# Altium PCB Power_Board.PcbDoc (part 2 of 3) (continued)
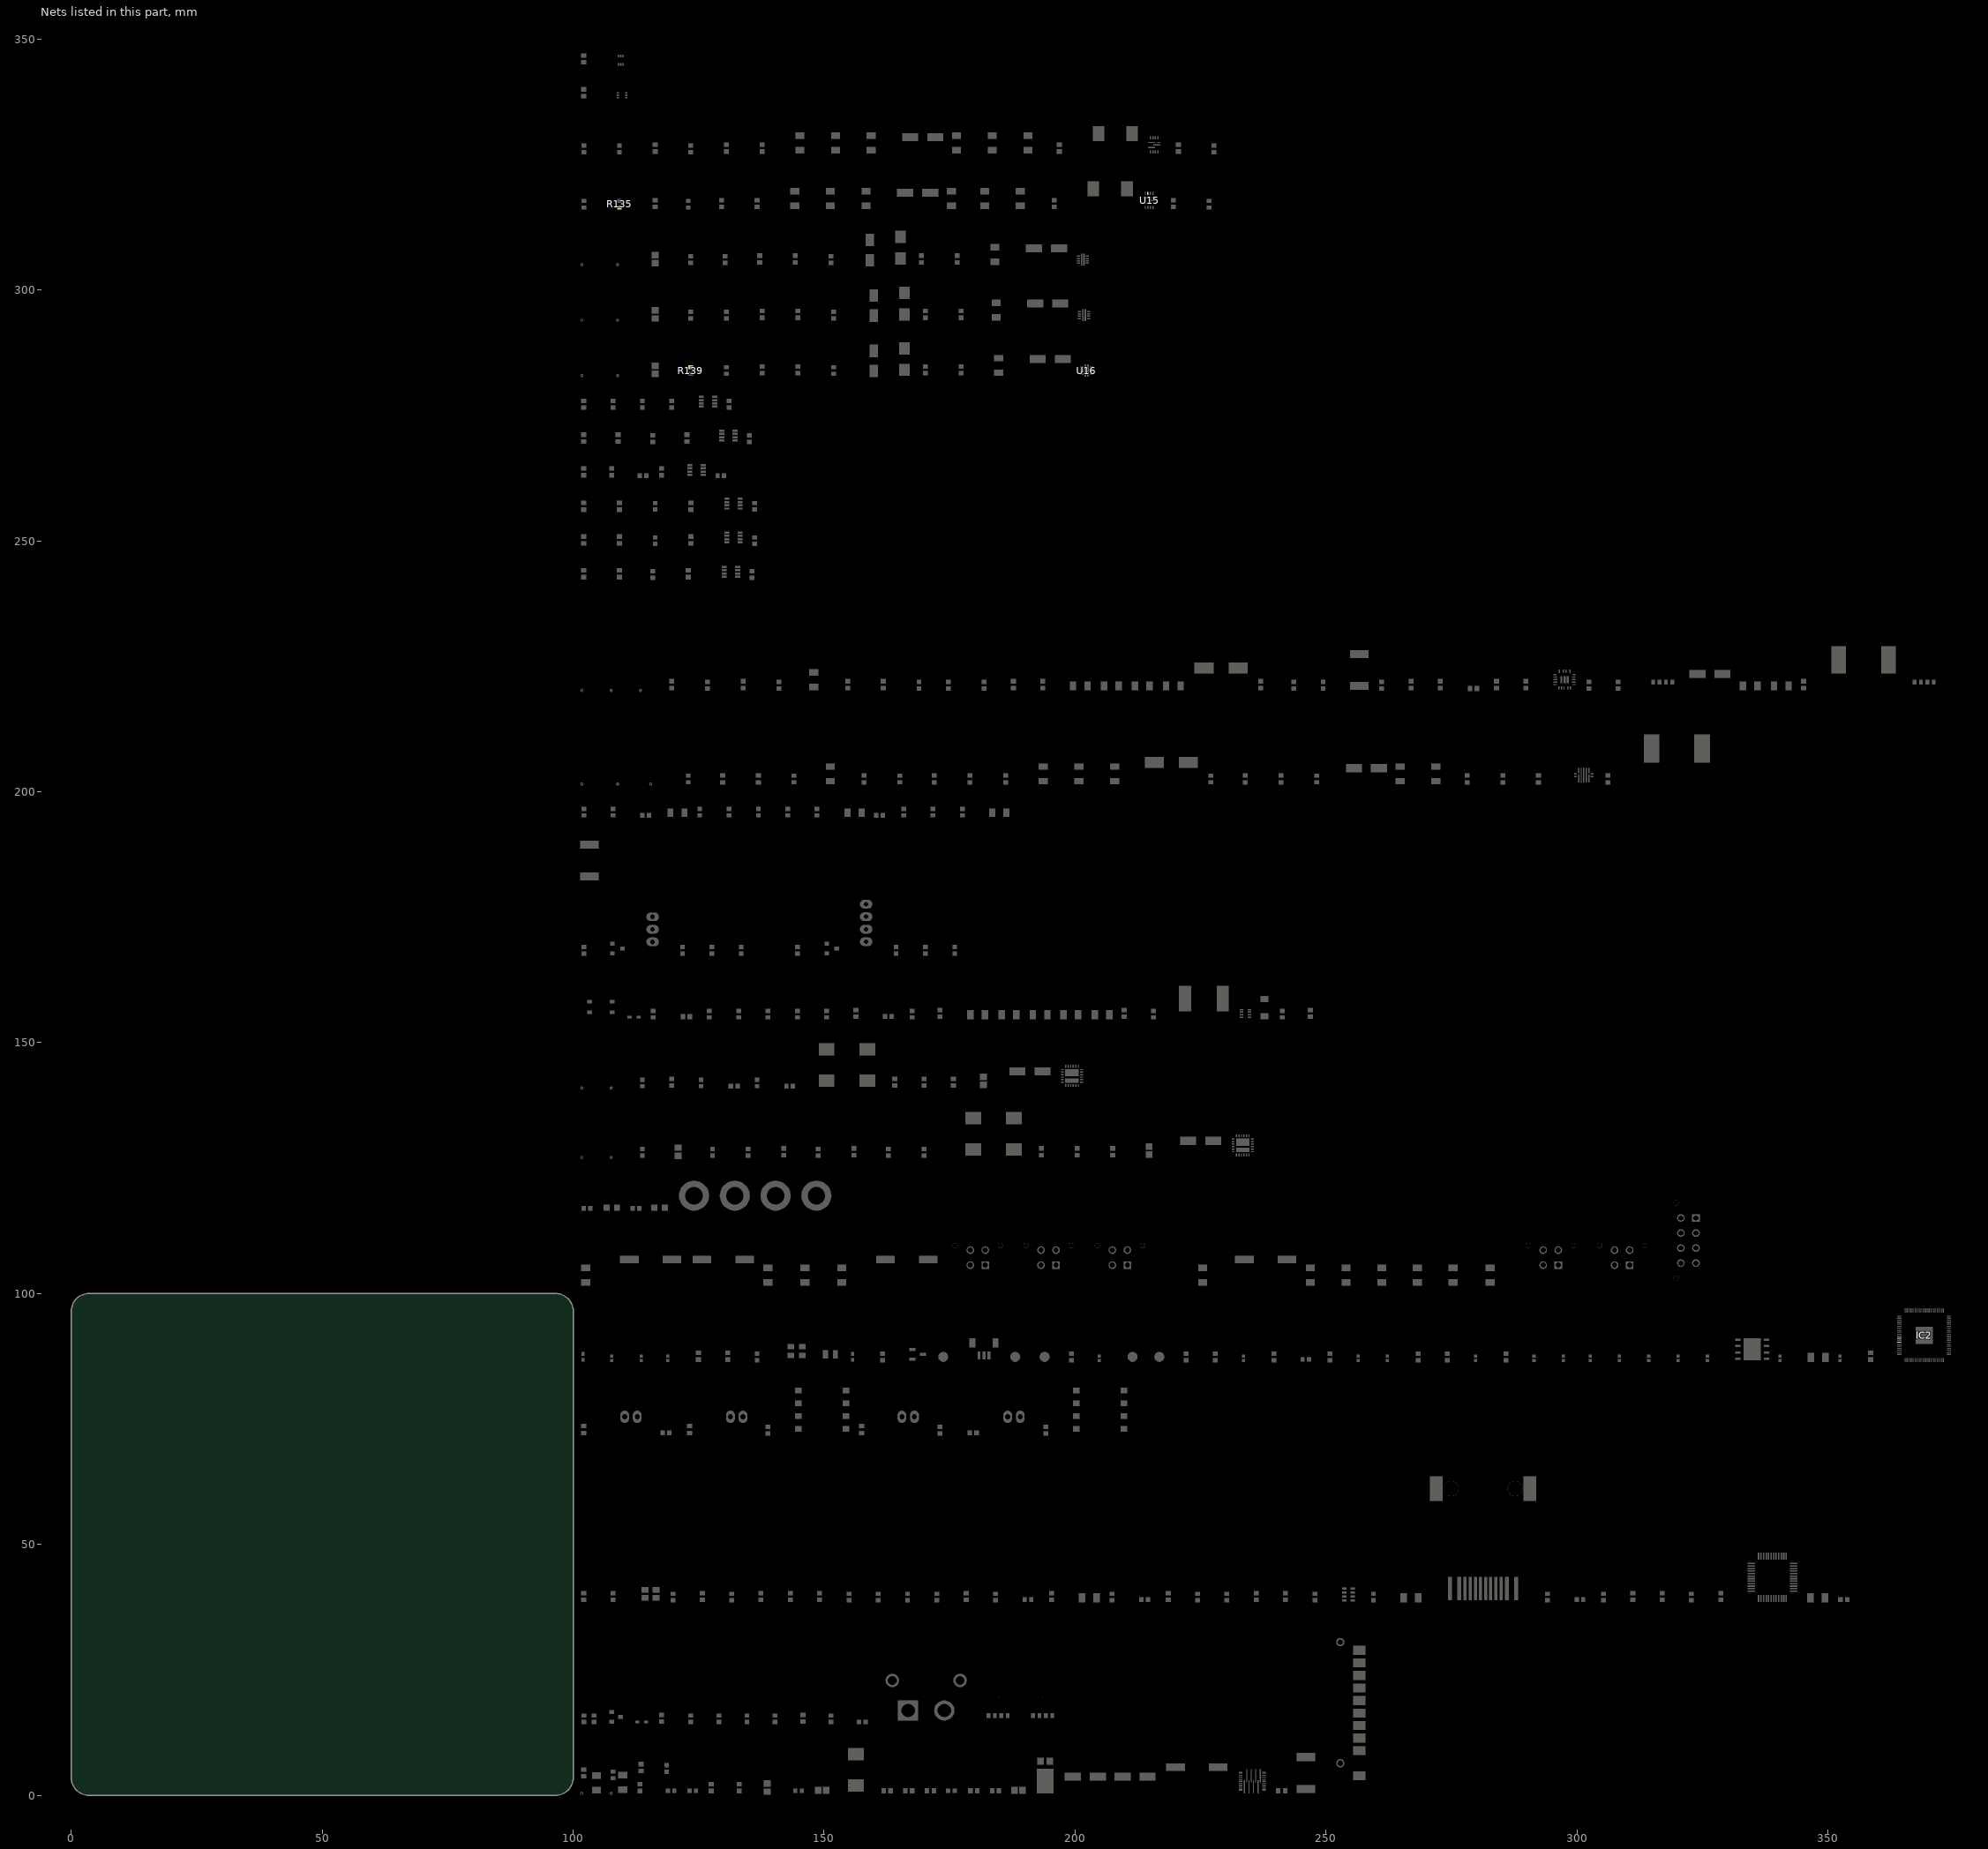
[diagram p2: the nets of this part, all layers, seen from the top]
## Part data (continued)
D8 D10: "DIODE SCHOTTKY 30V 5A SMC", Capacitance @ Vr, F="300pF @ 4V, 1MHz", Current - Average Rectified (Io)=5A, Current - Reverse Leakage @ Vr="500 µA @ 30 V", Manufacturer="Diodes Incorporated", Operating Temperature - Junction="-55°C ~ 150°C", Package / Case="DO-214AB, SMC", Supplier Device Package=SMC, Supplier Part Number 1=B530C-FDICT-ND, Voltage - DC Reverse (Vr) (Max)="30 V", Voltage - Forward (Vf) (Max) @ If="550 mV @ 5 A", ComponentLink1Description=Datasheet, ComponentLink1URL=https://www.diodes.com/assets/Datasheets/ds13012.pdf, ComponentLink2Description="DigiKey Link", ComponentLink2URL=https://www.digikey.com/en/products/detail/diodes-incorporated/B530C-13-F/768770, Diode Type=Schottky, LastUpdated="4/5/2026 8:31:14 PM", Lifecycle Status=Active, Minimum Order=1, Mounting Type="Surface Mount", Packaging=CutTape, Part Number=B530C-13-F, Part Status=Active, PartId=1719, Price=0.30, Series=-, Speed="Fast Recovery =< 500ns, > 200mA (Io)", Supplier 1=DigiKey
D11 D13 D15: "TVS DIODE 13VWM 21.5VC DO214AA", Current - Peak Pulse (10/1000µs)=28A, Manufacturer="Bourns Inc.", Operating Temperature="-55°C ~ 150°C (TJ)", Package / Case="DO-214AA, SMB", Power - Peak Pulse=600W, Power Line Protection=No, Supplier Device Package="DO-214AA (SMB)", Supplier Part Number 1=SMBJ13ABCT-ND, Voltage - Breakdown (Min)=14.4V, Voltage - Clamping (Max) @ Ipp=21.5V, Voltage - Reverse Standoff (Typ)=13V, Applications="General Purpose", ComponentLink1Description=Datasheet, ComponentLink1URL=https://www.bourns.com/docs/Product-Datasheets/SMBJ.pdf, ComponentLink2Description="DigiKey Link", ComponentLink2URL=https://www.digikey.com/en/products/detail/bourns-inc/SMBJ13A/2254626, LastUpdated="4/5/2026 8:33:25 PM", Lifecycle Status=Active, Minimum Order=1, Mounting Type="Surface Mount", Packaging=TapeAndReel, Part Number=SMBJ13A, Part Status=Active, PartId=10876, Price=0.08, Series=SMBJ, Supplier 1=DigiKey, Type=Zener, Unidirectional Channels=1
D12 D14 D16: "DIODE SCHOTTKY 20V 3A SMAF", Capacitance @ Vr, F="140pF @ 4V, 1MHz", Current - Average Rectified (Io)=3A, Current - Reverse Leakage @ Vr="200 µA @ 20 V", Manufacturer="Diodes Incorporated", Operating Temperature - Junction="-55°C ~ 150°C", Package / Case="DO-221AC, SMA Flat Leads", Supplier Device Package=SMAF, Supplier Part Number 1=B320AF-13DICT-ND, Voltage - DC Reverse (Vr) (Max)="20 V", Voltage - Forward (Vf) (Max) @ If="500 mV @ 3 A", ComponentLink1Description=Datasheet, ComponentLink1URL=https://www.diodes.com/assets/Datasheets/B320AF-B330AF.pdf, ComponentLink2Description="DigiKey Link", ComponentLink2URL=https://www.digikey.com/en/products/detail/diodes-incorporated/B320AF-13/7666773, Diode Type=Schottky, LastUpdated="4/5/2026 9:05:15 PM", Lifecycle Status=Active, Minimum Order=1, Mounting Type="Surface Mount", Packaging=TapeAndReel, Part Number=B320AF-13, Part Status=Active, PartId=3424, Price=0.05, Series=-, Speed="Fast Recovery =< 500ns, > 200mA (Io)", Supplier 1=DigiKey
F1: "FUSE BOARD MNT 500MA 63VDC 1206", Breaking Capacity @ Rated Voltage=50A, Current Rating (Amps)=500mA, Device Package="1206 (3216 Metric)", Manufacturer="Bourns Inc.", Operating Temperature="-40°C ~ 105°C", Supplier Part Number 1=SF-1206F050-2CT-ND, Voltage Rating - DC=63V, Approval Agency=UL, Approvals=UL, ComponentLink1Description=Datasheet, ComponentLink1URL=https://www.bourns.com/pdfs/SF1206F.pdf, ComponentLink2Description="DigiKey Link", ComponentLink2URL=http://digikey.com/product-detail/en/bourns-inc/SF-1206F050-2/SF-1206F050-2CT-ND/1948200, Fuse Type="Board Mount (Cartridge Style Excluded)", LastUpdated="9/2/2020 1:30:42 AM", Lifecycle Status=Active, Melting I²t=0.011, Minimum Order=1, Mounting Type="Surface Mount", Package / Case="1206 (3216 Metric)", Packaging=TapeAndReel, Part Number=SF-1206F050-2, Part Status=Active, Price=0.31, Response Time="Fast Blow", Series="SinglFuse™ SF-1206F", Size / Dimension="0.122\" L x 0.061\" W x 0.024\" H (3.10mm x 1.55mm x 0.60mm)", Supplier 1=DigiKey
FB1: library part MPZ1608S181ATAH0, "FERRITE BEAD 180 OHM 0603 1LN", Current Rating (Max)=2A, DC Resistance (DCR) (Max)=50mOhm, Device Package="0603 (1608 Metric)", Manufacturer="TDK Corporation", Operating Temperature="-55°C ~ 125°C", Supplier Part Number 1=445-MPZ1608S181ATAH0CT-ND, ComponentLink1Description=Datasheet, ComponentLink1URL=https://product.tdk.com/info/en/catalog/datasheets/beads_commercial_power_mpz1608_en.pdf?ref_disty=digikey, ComponentLink2Description="DigiKey Link", ComponentLink2URL=https://www.digikey.com/en/products/detail/tdk-corporation/MPZ1608S181ATAH0/2117944, Filter Type="Power Line", Height (Max)="0.030\" (0.75mm)", Impedance @ Frequency="180 Ohms @ 100 MHz", LastUpdated="4/5/2026 8:28:05 PM", Lifecycle Status=Active, Minimum Order=1, Mounting Type="Surface Mount", Number of Lines=1, Package / Case="0603 (1608 Metric)", Packaging=TapeAndReel, Part Number=MPZ1608S181ATAH0, Part Status=Active, PartId=1025, Price=0.02, Series=MPZ, Size / Dimension="0.063\" L x 0.031\" W (1.60mm x 0.80mm)", Supplier 1=DigiKey
IC1: "MOSFET N-CH 30V 5A MICRO3/SOT23", Current - Continuous Drain (Id) @ 25°C="5A (Ta)", Drain to Source Voltage (Vdss)="30 V", Drive Voltage (Max Rds On,  Min Rds On)="2.5V, 4.5V", Input Capacitance (Ciss) (Max) @ Vds="650 pF @ 25 V", Manufacturer="Infineon Technologies", Operating Temperature="-55°C ~ 150°C (TJ)", Package / Case="TO-236-3, SC-59, SOT-23-3", Power Dissipation (Max)="1.3W (Ta)", Supplier Device Package=Micro3™/SOT-23, Supplier Part Number 1=IRLML6344TRPBFCT-ND, ComponentLink1Description=Datasheet, ComponentLink1URL=https://www.infineon.com/dgdl/irlml6344pbf.pdf?fileId=5546d462533600a4015356689c44262c, ComponentLink2Description="DigiKey Link", ComponentLink2URL=https://www.digikey.com/en/products/detail/infineon-technologies/IRLML6344TRPBF/2538152, FET Type=N-Channel, Gate Charge (Qg) (Max) @ Vgs="6.8 nC @ 4.5 V", LastUpdated="4/5/2026 8:53:29 PM", Lifecycle Status=Active, Minimum Order=1, Mounting Type="Surface Mount", Packaging=TapeAndReel, Part Number=IRLML6344TRPBF, Part Status=Active, Price=0.09, Rds On (Max) @ Id, Vgs="29mOhm @ 5A, 4.5V", Series=HEXFET®, Supplier 1=DigiKey, Technology="MOSFET (Metal Oxide)", Vgs (Max)=±12V, Vgs(th) (Max) @ Id="1.1V @ 10µA"
IC2: "RASPBERRY PI RP2350B A4 MICROCONTROLLER", Manufacturer="Raspberry Pi", Supplier Part Number 1=2648-SC1510-A4CT-ND, Part Number=SC1510-A4, Supplier 1=DigiKey
IC3: "IC FLASH 64MBIT SPI/QUAD 8WSON", Manufacturer="Winbond Electronics", Supplier Part Number 1=256-W25Q64JVZPIQ-TRAY-ND, Part Number=W25Q64JVZPIQ, Supplier 1=DigiKey
IC4: "IC VREF SHUNT 0.1% SOT23-3", Manufacturer="Texas Instruments", Supplier Part Number 1=296-20857-1-ND, Part Number=LM4040A20IDBZR, Supplier 1=DigiKey
IC5 IC6: "MOSFET P-CH 20V 4.3A SOT23", Current - Continuous Drain (Id) @ 25°C="4.3A (Ta)", Drain to Source Voltage (Vdss)="20 V", Drive Voltage (Max Rds On,  Min Rds On)="1.8V, 4.5V", Input Capacitance (Ciss) (Max) @ Vds="634 pF @ 10 V", Manufacturer="Diodes Incorporated", Operating Temperature="-55°C ~ 150°C (TJ)", Package / Case="TO-236-3, SC-59, SOT-23-3", Power Dissipation (Max)="800mW (Ta)", Supplier Device Package=SOT-23-3, Supplier Part Number 1=31-DMP2045UQ-7CT-ND, ComponentLink1Description=Datasheet, ComponentLink1URL=https://www.diodes.com/assets/Datasheets/DMP2045UQ.pdf, ComponentLink2Description="DigiKey Link", ComponentLink2URL=https://www.digikey.com/en/products/detail/diodes-incorporated/DMP2045UQ-7/10674156, FET Type=P-Channel, Gate Charge (Qg) (Max) @ Vgs="6.8 nC @ 4.5 V", LastUpdated="4/5/2026 8:53:26 PM", Lifecycle Status=Active, Minimum Order=1, Mounting Type="Surface Mount", Packaging=TapeAndReel, Part Number=DMP2045UQ-7, Part Status=Active, Price=0.07, Rds On (Max) @ Id, Vgs="45mOhm @ 4A, 4.5V", Series=-, Supplier 1=DigiKey, Technology="MOSFET (Metal Oxide)", Vgs (Max)=±8V, Vgs(th) (Max) @ Id="1V @ 250µA"
IC7: "22V 8A BUCK-BOOST CONVERTER WITH", Manufacturer="Texas Instruments", Supplier Part Number 1=296-TPS55285VALRCT-ND, Part Number=TPS55285VALR, Supplier 1=DigiKey
IC8 IC9: "SENSOR DIGITAL -40C-125C SOT563", Manufacturer="Texas Instruments", Supplier Part Number 1=296-50015-1-ND, Part Number=TMP112NAIDRLR, Supplier 1=DigiKey
J1: "CONN RCPT 10POS 2.50MM PCB SLDR", Manufacturer="TE Connectivity AMP Connectors", Supplier Part Number 1=A120254-ND, Part Number=1-1473776-7, Supplier 1=DigiKey
J2: "MALE XT60 PCB-MOUNT SOLDERABLE CONNECTOR", Manufacturer=AMASS, Part Number=XT60PW-M, Supplier 1=TME, Supplier Part Number 1=XT60PW-M
J3: "CONN HEADER SMD 3POS 1MM", Current Rating (Amps)=0.7A, Insulation Color=Natural, Manufacturer="JST Sales America Inc.", Material Flammability Rating="UL94 V-0", Operating Temperature="-25°C ~ 85°C", Supplier Part Number 1=455-1789-1-ND, Voltage Rating=50V, ComponentLink1Description=Datasheet, ComponentLink1URL=http://www.jst-mfg.com/product/pdf/eng/eSR.pdf, ComponentLink2Description="DigiKey Link", ComponentLink2URL=http://digikey.com/product-detail/en/jst-sales-america-inc/BM03B-SRSS-TB-LF-SN/455-1789-1-ND/926860, Connector Type=Header, Contact Finish - Mating=Tin, Contact Finish - Post=Tin, Contact Material="Copper Alloy", Contact Shape=Square, Contact Type="Male Pin", Fastening Type=Push-Pull, Features="Solder Retention", Insulation Height="0.167\" (4.25mm)", Insulation Material="Polyamide (PA), Nylon", LastUpdated="1/12/2020 10:12:14 PM", Lifecycle Status=Active, Minimum Order=1, Mounting Type="Surface Mount", Number of Positions=3, Number of Positions Loaded=All, Number of Rows=1, Packaging=TapeAndReel, Part Number=BM03B-SRSS-TB(LF)(SN), Part Status=Active, PartId=14, Pitch - Mating="0.039\" (1.00mm)", Price=0.24, Series=SR, Shrouding="Shrouded - 4 Wall", Style="Board to Cable/Wire", Supplier 1=DigiKey, Termination=Solder
J4: "MAGJACK SMT R/A 8P8C RJ45 ETHERNET", Manufacturer=HanRun, Part Number=HR961160C, Supplier 1=Ozdisan, Supplier Part Number 1=HR961160C
J5 J6 J7 J8: "CONN HEADER VERT 2POS 2.5MM", Current Rating (Amps)=3A, Insulation Color=Natural, Manufacturer="JST Sales America Inc.", Material Flammability Rating="UL94 V-0", Operating Temperature="-25°C ~ 85°C", Supplier Part Number 1=455-2247-ND, Voltage Rating=250V, ComponentLink1Description=Datasheet, ComponentLink1URL=http://www.jst-mfg.com/product/pdf/eng/eXH.pdf, ComponentLink2Description="DigiKey Link", ComponentLink2URL=http://digikey.com/product-detail/en/jst-sales-america-inc/B2B-XH-A-LF-SN/455-2247-ND/1651045, Connector Type=Header, Contact Finish - Mating=Tin, Contact Finish - Post=Tin, Contact Length - Post="0.134\" (3.40mm)", Contact Material=Brass, Contact Shape=Square, Contact Type="Male Pin", Fastening Type="Detent Lock", Insulation Height="0.276\" (7.00mm)", Insulation Material="Polyamide (PA66), Nylon 6/6", LastUpdated="1/12/2020 11:46:08 PM", Lifecycle Status=Active, Minimum Order=1, Mounting Type="Through Hole", Number of Positions=2, Number of Positions Loaded=All, Number of Rows=1, Packaging=Bulk, Part Number=B2B-XH-A(LF)(SN), Part Status=Active, PartId=67, Pitch - Mating="0.098\" (2.50mm)", Price=0.15, Series=XH, Shrouding="Shrouded - 4 Wall", Style="Board to Cable/Wire", Supplier 1=DigiKey, Termination="Press-Fit, Solder"
J9: "CONN HEADER VERT 4POS 2.5MM", Current Rating (Amps)=3A, Insulation Color=Natural, Manufacturer="JST Sales America Inc.", Material Flammability Rating="UL94 V-0", Operating Temperature="-25°C ~ 85°C", Supplier Part Number 1=455-2249-ND, Voltage Rating=250V, ComponentLink1Description=Datasheet, ComponentLink1URL=http://www.jst-mfg.com/product/pdf/eng/eXH.pdf, ComponentLink2Description="DigiKey Link", ComponentLink2URL=http://digikey.com/product-detail/en/jst-sales-america-inc/B4B-XH-A-LF-SN/455-2249-ND/1651047, Connector Type=Header, Contact Finish - Mating=Tin, Contact Finish - Post=Tin, Contact Length - Post="0.134\" (3.40mm)", Contact Material=Brass, Contact Shape=Square, Contact Type="Male Pin", Fastening Type="Detent Lock", Insulation Height="0.276\" (7.00mm)", Insulation Material="Polyamide (PA66), Nylon 6/6", LastUpdated="1/12/2020 11:46:34 PM", Lifecycle Status=Active, Minimum Order=1, Mounting Type="Through Hole", Number of Positions=4, Number of Positions Loaded=All, Number of Rows=1, Packaging=Bulk, Part Number=B4B-XH-A(LF)(SN), Part Status=Active, PartId=69, Pitch - Mating="0.098\" (2.50mm)", Price=0.21, Series=XH, Shrouding="Shrouded - 4 Wall", Style="Board to Cable/Wire", Supplier 1=DigiKey, Termination="Press-Fit, Solder"
J10: "CONN HEADER VERT 3POS 2.5MM", Current Rating (Amps)=3A, Insulation Color=Natural, Manufacturer="JST Sales America Inc.", Material Flammability Rating="UL94 V-0", Operating Temperature="-25°C ~ 85°C", Supplier Part Number 1=455-2248-ND, Voltage Rating=250V, ComponentLink1Description=Datasheet, ComponentLink1URL=http://www.jst-mfg.com/product/pdf/eng/eXH.pdf, ComponentLink2Description="DigiKey Link", ComponentLink2URL=http://digikey.com/product-detail/en/jst-sales-america-inc/B3B-XH-A-LF-SN/455-2248-ND/1651046, Connector Type=Header, Contact Finish - Mating=Tin, Contact Finish - Post=Tin, Contact Length - Post="0.134\" (3.40mm)", Contact Material=Brass, Contact Shape=Square, Contact Type="Male Pin", Fastening Type="Detent Lock", Insulation Height="0.276\" (7.00mm)", Insulation Material="Polyamide (PA66), Nylon 6/6", LastUpdated="1/12/2020 11:46:22 PM", Lifecycle Status=Active, Minimum Order=1, Mounting Type="Through Hole", Number of Positions=3, Number of Positions Loaded=All, Number of Rows=1, Packaging=Bulk, Part Number=B3B-XH-A(LF)(SN), Part Status=Active, PartId=68, Pitch - Mating="0.098\" (2.50mm)", Price=0.19, Series=XH, Shrouding="Shrouded - 4 Wall", Style="Board to Cable/Wire", Supplier 1=DigiKey, Termination="Press-Fit, Solder"
J11: "CONN HEADER VERT 8POS 3MM", Manufacturer=Molex, Supplier Part Number 1=WM1792-ND, Part Number=43045-0812, Supplier 1=DigiKey
J12 J13 J14 J15 J16: "CONN HEADER VERT 4POS 3MM", Manufacturer=Molex, Supplier Part Number 1=WM1790-ND, Part Number=43045-0412, Supplier 1=DigiKey
JP1: library part GEN-PCBSJPS2, "CIRCULAR, SOLDERABLE JUMPER SELECTOR PAD", Part Number=GEN-PCBSJPS2, Size Variant=2mm
K1 K2: "SSR RELAY SPST-NO 200MA 0-250V", Manufacturer="Vishay Semiconductor Opto Division", Supplier Part Number 1=VOR2121B8-ND, Copyright="Copyright (C) 2026 Ultra Librarian. All rights reserved.", Part Number=VOR2121B8, Supplier 1=DigiKey
L1: library part IHLP3232DZER6R8M11, "FIXED IND 6.8UH 7A 33.4 MOHM SMD", Current Rating=7A, DC Resistance=33.4mOhm, Manufacturer="Vishay Dale", Saturation Current=6.7A, Supplier Part Number 1=541-1355-1-ND, Tolerance=±20%, Part Number=IHLP3232DZER6R8M11, Supplier 1=DigiKey
L2: library part AOTA-B201610S3R3-101-T, "FIXED IND 3.3UH 2.1A 140 MOHM", Current Rating=2.1A, DC Resistance=140mOhm, Manufacturer="Abracon LLC", Saturation Current=2.4A, Supplier Part Number 1=535-AOTA-B201610S3R3-101-TCT-ND, Tolerance=±20%, Part Number=AOTA-B201610S3R3-101-T, Supplier 1=DigiKey
L3: library part 7443320470, "FIXED IND 4.7UH 15.5A 7.9 MOHM", Current Rating=15.5A, DC Resistance=7.9mOhm, Manufacturer="Würth Elektronik", Saturation Current=17A, Supplier Part Number 1=732-2142-1-ND, Tolerance=±20%, Part Number=7443320470, Supplier 1=DigiKey
L4: library part B82477G4472M000, "FIXED IND 4.7UH 6.8A 14 MOHM SMD", Current Rating=6.8A, DC Resistance=14mOhm, Manufacturer=TDK, Saturation Current=8.6A, Supplier Part Number 1=495-1821-1-ND, Tolerance=±20%, Part Number=B82477G4472M000, Supplier 1=DigiKey
L5 L6: library part 7443340150, "FIXED IND 1.5UH 16.5A 5.6 MOHM", Current Rating=16.5A, DC Resistance=5.6mOhm, Manufacturer="Würth Elektronik", Saturation Current=18.5A, Supplier Part Number 1=732-2163-1-ND, Tolerance=±20%, Part Number=7443340150, Supplier 1=DigiKey
MHL1 MHL2 MHL3 MHL4: library part GEN-PCBMHL3S5, "CIRCULAR PCB MOUNTING HOLE", Part Number=GEN-PCBMHL3S5, Size Variant=3.5mm
NT1 NT2 NT3 NT4 NT5 NT6 NT7 NT8 NT9 NT10 NT11 NT12 NT13 NT14 NT15 NT16 NT17 NT18: library part GEN-PCBVINT0S3, "VIA STYLE CIRCULAR NET TIE", Part Number=GEN-PCBVINT0S3, Size Variant=0.3mm
Q1 Q2: "MOSFET, POWER -30V P-CHANNEL, SO", Manufacturer=onsemi, Supplier Part Number 1=488-NTMFS003P03P8ZT1G-ND, Part Number=NTMFS003P03P8ZT1G, Supplier 1=DigiKey
Q3 Q4: "SINGLE N-CHANNEL LOGIC LEVEL POW", Manufacturer=onsemi, Supplier Part Number 1=488-NVMFS4C305NET1G-YE-ND, Part Number=NVMFS4C305NET1G-YE, Supplier 1=DigiKey
R1 R2 R45 R49 R59 R60 R61 R62: library part GEN-CRR330T5P8603, "GENERIC 0603 CHIP RESISTOR", Power=0.125W, Tolerance=±5%, Part Number=GEN-CRR330T5P8603
R3 R73: library part TLR3A20DR001FTDG, "RES 0.001 OHM 1% 2W 2512", Device Package="2512 (6432 Metric)", Manufacturer="TE Connectivity Passive Product", Operating Temperature="-55°C ~ 170°C", Power (Watts)=2W, Supplier Device Package=2512, Supplier Part Number 1=A129565CT-ND, Temperature Coefficient=±50ppm/°C, Tolerance=±1%, ComponentLink1Description=Datasheet, ComponentLink1URL=https://www.te.com/commerce/DocumentDelivery/DDEController?Action=srchrtrv&DocNm=1773449-3&DocType=DS&DocLang=English, ComponentLink2Description="DigiKey Link", ComponentLink2URL=http://digikey.com/product-detail/en/te-connectivity-passive-product/TLR3A20DR001FTDG/A129565CT-ND/8566769, Composition="Metal Foil", Features="Current Sense", Height - Seated (Max)="0.024\" (0.60mm)", LastUpdated="9/2/2020 1:27:06 AM", Lifecycle Status=Active, Minimum Order=1, Number of Terminations=2, Package / Case="2512 (6432 Metric)", Packaging=TapeAndReel, Part Number=TLR3A20DR001FTDG, Part Status=Active, Price=0.30, Resistance="1 mOhms", Series="TLR, CGS", Size / Dimension="0.252\" L x 0.126\" W (6.40mm x 3.20mm)", Supplier 1=DigiKey
R4 R41: library part GEN-CRR10T1P8603, "GENERIC 0603 CHIP RESISTOR", Power=0.125W, Tolerance=±1%, Part Number=GEN-CRR10T1P8603
R5 R17 R23 R25 R27 R53 R54 R55 R56 R63 R64 R68 R69 R74 R77 R97 R106 R118 R121 R126 R127 R130 R135 R136 R139: library part GEN-CRR10KT1P8603, "GENERIC 0603 CHIP RESISTOR", Power=0.125W, Tolerance=±1%, Part Number=GEN-CRR10KT1P8603
R6: library part GEN-CRR1K3T1P8603, "GENERIC 0603 CHIP RESISTOR", Power=0.125W, Tolerance=±1%, Part Number=GEN-CRR1K3T1P8603
R7: library part GEN-CRR3K6T1P8603, "GENERIC 0603 CHIP RESISTOR", Power=0.125W, Tolerance=±1%, Part Number=GEN-CRR3K6T1P8603
R8 R9 R31 R33 R78 R79 R112 R113 R122 R123 R131 R132 R140 R141: library part GEN-CRR27T1P8603, "GENERIC 0603 CHIP RESISTOR", Power=0.125W, Tolerance=±1%, Part Number=GEN-CRR27T1P8603
R10: library part GEN-CRR18K7T1P8603, "GENERIC 0603 CHIP RESISTOR", Power=0.125W, Tolerance=±1%, Part Number=GEN-CRR18K7T1P8603
R11: library part GEN-CRR3K4T1P8603, "GENERIC 0603 CHIP RESISTOR", Power=0.125W, Tolerance=±1%, Part Number=GEN-CRR3K4T1P8603
R12 R26 R36 R39 R119 R128 R137: library part GEN-CRR100T1P8603, "GENERIC 0603 CHIP RESISTOR", Power=0.125W, Tolerance=±1%, Part Number=GEN-CRR100T1P8603
R13 R15 R16 R65 R70 R108: library part GEN-CRR210T1P8603, "GENERIC 0603 CHIP RESISTOR", Power=0.125W, Tolerance=±1%, Part Number=GEN-CRR210T1P8603
R14 R82 R110: library part GEN-CRR48K7T1P8603, "GENERIC 0603 CHIP RESISTOR", Power=0.125W, Tolerance=±1%, Part Number=GEN-CRR48K7T1P8603
R18 R22 R67 R72 R124 R133: library part GEN-CRR0603, "GENERIC 0603 CHIP RESISTOR (JUMPER)", Part Number=GEN-CRR0603
R19 R87 R111: library part GEN-CRR137KT1P8603, "GENERIC 0603 CHIP RESISTOR", Power=0.125W, Tolerance=±1%, Part Number=GEN-CRR137KT1P8603
R20: library part GEN-CRR30K9T1P8603, "GENERIC 0603 CHIP RESISTOR", Power=0.125W, Tolerance=±1%, Part Number=GEN-CRR30K9T1P8603
R21 R103 R125 R134: library part GEN-CRR20KT1P8603, "GENERIC 0603 CHIP RESISTOR", Power=0.125W, Tolerance=±1%, Part Number=GEN-CRR20KT1P8603
R24: library part GEN-CRR15KT1P8603, "GENERIC 0603 CHIP RESISTOR", Power=0.125W, Tolerance=±1%, Part Number=GEN-CRR15KT1P8603
R28 R29 R30 R32 R34 R35 R89: library part GEN-CRR4K7T5P8603, "GENERIC 0603 CHIP RESISTOR", Power=0.125W, Tolerance=±5%, Part Number=GEN-CRR4K7T5P8603
R37 R88 R94: library part GEN-CRR2KT1P8603, "GENERIC 0603 CHIP RESISTOR", Power=0.125W, Tolerance=±1%, Part Number=GEN-CRR2KT1P8603
R38: library part GEN-CRR33T5P16402, "GENERIC 0402 CHIP RESISTOR", Power=0.0625W, Tolerance=±5%, Part Number=GEN-CRR33T5P16402
R40: library part GEN-CRR1KT1P16402, "GENERIC 0402 CHIP RESISTOR", Power=0.0625W, Tolerance=±1%, Part Number=GEN-CRR1KT1P16402
R42 R43 R51 R52: library part GEN-CRR49R9T1P8603, "GENERIC 0603 CHIP RESISTOR", Power=0.125W, Tolerance=±1%, Part Number=GEN-CRR49R9T1P8603
R44 R47 R48 R50: library part GEN-CRR33T1P8603, "GENERIC 0603 CHIP RESISTOR", Power=0.125W, Tolerance=±1%, Part Number=GEN-CRR33T1P8603
R46: "RES ARRAY 4 RES 33 OHM 1206", Manufacturer=Yageo, Number of Resistors=4, Operating Temperature="-55°C ~ 155°C", Package / Case="1206 (3216 Metric), Convex, Long Side Terminals", Power Per Element=62.5mW, Resistance (Ohms)=33, Supplier Part Number 1=YC164J-33CT-ND, Temperature Coefficient=±200ppm/°C, Tolerance=±5%, Applications="DDRAM, SDRAM", Circuit Type=Isolated, ComponentLink1Description=Datasheet, ComponentLink1URL=https://www.yageo.com/upload/media/product/productsearch/datasheet/rchip/PYu-YC_TC_group_51_RoHS_L_9.pdf, ComponentLink2Description="DigiKey Link", ComponentLink2URL=http://digikey.com/product-detail/en/yageo/YC164-JR-0733RL/YC164J-33CT-ND/1005642, Height - Seated (Max)="0.028\" (0.70mm)", LastUpdated="9/2/2020 1:23:24 AM", Lifecycle Status=Active, Minimum Order=1, Mounting Type="Surface Mount", Number of Pins=8, Packaging=TapeAndReel, Part Number=YC164-JR-0733RL, Part Status=Active, PartId=145, Price=0.01, Series=YC164, Size / Dimension="0.126\" L x 0.063\" W (3.20mm x 1.60mm)", Supplier 1=DigiKey
R57: library part GEN-CRR12K4T1P8603, "GENERIC 0603 CHIP RESISTOR", Power=0.125W, Tolerance=±1%, Part Number=GEN-CRR12K4T1P8603
R58: library part GEN-CRR1MT5P8603, "GENERIC 0603 CHIP RESISTOR", Power=0.125W, Tolerance=±5%, Part Number=GEN-CRR1MT5P8603
R66 R71 R75: library part GEN-CRR806T1P8603, "GENERIC 0603 CHIP RESISTOR", Power=0.125W, Tolerance=±1%, Part Number=GEN-CRR806T1P8603
R76: library part GEN-CRR147T1P8603, "GENERIC 0603 CHIP RESISTOR", Power=0.125W, Tolerance=±1%, Part Number=GEN-CRR147T1P8603
R80: library part TLR2B10DR007FTDG, "RES 0.007 OHM 1% 1W 1206", Device Package="1206 (3216 Metric)", Manufacturer="TE Connectivity Passive Product", Operating Temperature="-55°C ~ 170°C", Power (Watts)=1W, Supplier Device Package=1206, Supplier Part Number 1=A131747CT-ND, Temperature Coefficient=±50ppm/°C, Tolerance=±1%, ComponentLink1Description=Datasheet, ComponentLink1URL=https://www.te.com/commerce/DocumentDelivery/DDEController?Action=srchrtrv&DocNm=1773449-3&DocType=DS&DocLang=English, ComponentLink2Description="DigiKey Link", ComponentLink2URL=https://www.digikey.com/en/products/detail/te-connectivity-passive-product/TLR2B10DR007FTDG/5584869, Composition="Metal Foil", Features="Current Sense", Height - Seated (Max)="0.024\" (0.60mm)", LastUpdated="4/6/2026 8:00:51 PM", Lifecycle Status=Active, Minimum Order=1, Number of Terminations=2, Package / Case="1206 (3216 Metric)", Packaging=TapeAndReel, Part Number=TLR2B10DR007FTDG, Part Status=Active, PartId=27144, Price=0.32, Resistance="7 mOhms", Series="TLR, CGS", Size / Dimension="0.126\" L x 0.063\" W (3.20mm x 1.60mm)", Supplier 1=DigiKey
R81: library part GEN-CRR6K81T1P8603, "GENERIC 0603 CHIP RESISTOR", Power=0.125W, Tolerance=±1%, Part Number=GEN-CRR6K81T1P8603
R83: library part GEN-CRR3KT1P8603, "GENERIC 0603 CHIP RESISTOR", Power=0.125W, Tolerance=±1%, Part Number=GEN-CRR3KT1P8603
R84: library part GEN-CRR147KT1P8603, "GENERIC 0603 CHIP RESISTOR", Power=0.125W, Tolerance=±1%, Part Number=GEN-CRR147KT1P8603
R85 R91: library part TLR2B10DR004FTDG, "RES 0.004 OHM 1% 1W 1206", Device Package="1206 (3216 Metric)", Manufacturer="TE Connectivity Passive Product", Operating Temperature="-55°C ~ 170°C", Power (Watts)=1W, Supplier Device Package=1206, Supplier Part Number 1=A129560CT-ND, Temperature Coefficient=±50ppm/°C, Tolerance=±1%, ComponentLink1Description=Datasheet, ComponentLink1URL=https://www.te.com/commerce/DocumentDelivery/DDEController?Action=srchrtrv&DocNm=1773449-3&DocType=DS&DocLang=English, ComponentLink2Description="DigiKey Link", ComponentLink2URL=https://www.digikey.com/en/products/detail/te-connectivity-passive-product/TLR2B10DR004FTDG/5584867, Composition="Metal Foil", Features="Current Sense", Height - Seated (Max)="0.024\" (0.60mm)", LastUpdated="4/6/2026 7:59:33 PM", Lifecycle Status=Active, Minimum Order=1, Number of Terminations=2, Package / Case="1206 (3216 Metric)", Packaging=TapeAndReel, Part Number=TLR2B10DR004FTDG, Part Status=Active, PartId=42701, Price=0.31, Resistance="4 mOhms", Series="TLR, CGS", Size / Dimension="0.126\" L x 0.063\" W (3.20mm x 1.60mm)", Supplier 1=DigiKey
R86: library part GEN-CRR36KT1P8603, "GENERIC 0603 CHIP RESISTOR", Power=0.125W, Tolerance=±1%, Part Number=GEN-CRR36KT1P8603
R90: library part GEN-CRR90K9T1P8603, "GENERIC 0603 CHIP RESISTOR", Power=0.125W, Tolerance=±1%, Part Number=GEN-CRR90K9T1P8603
R92: library part GEN-CRR41K2T1P8603, "GENERIC 0603 CHIP RESISTOR", Power=0.125W, Tolerance=±1%, Part Number=GEN-CRR41K2T1P8603
R93: library part GEN-CRR255KT1P8603, "GENERIC 0603 CHIP RESISTOR", Power=0.125W, Tolerance=±1%, Part Number=GEN-CRR255KT1P8603
R95 R96: library part GEN-CRR1T1P8603, "GENERIC 0603 CHIP RESISTOR", Power=0.125W, Tolerance=±1%, Part Number=GEN-CRR1T1P8603
R98 R101: library part GEN-CRR6K19T1P8603, "GENERIC 0603 CHIP RESISTOR", Power=0.125W, Tolerance=±1%, Part Number=GEN-CRR6K19T1P8603
R99: library part TLR3A20KR003FTDG, "RES 0.003 OHM 1% 2W 2512", Device Package="2512 (6432 Metric)", Manufacturer="TE Connectivity Passive Product", Operating Temperature="-55°C ~ 170°C", Power (Watts)=2W, Supplier Device Package=2512, Supplier Part Number 1=A131783CT-ND, Temperature Coefficient=±150ppm/°C, Tolerance=±1%, ComponentLink1Description=Datasheet, ComponentLink1URL=https://www.te.com/commerce/DocumentDelivery/DDEController?Action=srchrtrv&DocNm=1773449-3&DocType=DS&DocLang=English, ComponentLink2Description="DigiKey Link", ComponentLink2URL=http://digikey.com/product-detail/en/te-connectivity-passive-product/TLR3A20KR003FTDG/A131783CT-ND/8603913, Composition="Metal Foil", Features="Current Sense", Height - Seated (Max)="0.024\" (0.60mm)", LastUpdated="9/2/2020 1:27:06 AM", Lifecycle Status=Active, Minimum Order=1, Number of Terminations=2, Package / Case="2512 (6432 Metric)", Packaging=TapeAndReel, Part Number=TLR3A20KR003FTDG, Part Status=Active, Price=0.30, Resistance="3 mOhms", Series="TLR, CGS", Size / Dimension="0.252\" L x 0.126\" W (6.40mm x 3.20mm)", Supplier 1=DigiKey
R100: library part GEN-CRR100KT1P8603, "GENERIC 0603 CHIP RESISTOR", Power=0.125W, Tolerance=±1%, Part Number=GEN-CRR100KT1P8603
R102: library part GEN-CRR49K30T1P8603, "GENERIC 0603 CHIP RESISTOR", Power=0.125W, Tolerance=±0.1%, Part Number=GEN-CRR49K30T1P8603
R104 R109 R120 R129 R138: library part GEN-CRR470KT1P8603, "GENERIC 0603 CHIP RESISTOR", Power=0.125W, Tolerance=±1%, Part Number=GEN-CRR470KT1P8603
R105: library part GEN-CRR21K30T5P8603, "GENERIC 0603 CHIP RESISTOR", Power=0.125W, Tolerance=±0.5%, Part Number=GEN-CRR21K30T5P8603
R107: library part GEN-CRR1K87T1P8603, "GENERIC 0603 CHIP RESISTOR", Power=0.125W, Tolerance=±1%, Part Number=GEN-CRR1K87T1P8603
R114: library part GEN-CRR24K9T1P8603, "GENERIC 0603 CHIP RESISTOR", Power=0.125W, Tolerance=±1%, Part Number=GEN-CRR24K9T1P8603
R115 R116: library part GEN-CRR102KT1P8603, "GENERIC 0603 CHIP RESISTOR", Power=0.125W, Tolerance=±1%, Part Number=GEN-CRR102KT1P8603
R117: library part GEN-CRR2K46T1P8603, "GENERIC 0603 CHIP RESISTOR", Power=0.125W, Tolerance=±1%, Part Number=GEN-CRR2K46T1P8603
S1: "SWITCH TACTILE SPST-NO 0.05A 12V", Manufacturer=C&K, Supplier Part Number 1=CKN12216-1-ND, Circuit=SPST-NO, Part Number=PTS815SJK250SMTRLFS, Supplier 1=DigiKey
TP1 TP2 TP3 TP4 TP5: library part GEN-PCBTPS2, "CIRCULAR PCB TEST POINT PAD", Part Number=GEN-PCBTPS2, Size Variant=2mm
U1: "ELECTRONIC FUSE", Manufacturer="Texas Instruments", Supplier Part Number 1=296-TPS25990ARQPRCT-ND, Part Number=TPS25990ARQPR, Supplier 1=DigiKey
U2 U6 U9 U11 U14 U17: "IC CURRENT MON 0.015% TSOT23-8", Manufacturer="Texas Instruments", Supplier Part Number 1=296-INA236AIDDFRCT-ND, Copyright="Copyright (C) 2025 Ultra Librarian. All rights reserved.", Part Number=INA236AIDDFR, Supplier 1=DigiKey
U3: "IC REG BUCK ADJ 2A SOT583", Manufacturer="Texas Instruments", Supplier Part Number 1=296-TPS62932DRLRCT-ND, Copyright="Copyright (C) 2025 Ultra Librarian. All rights reserved.", Part Number=TPS62932DRLR, Supplier 1=DigiKey
U4: "IC CTLR 3-1 ETH TCP/IP 48LQFP", Manufacturer=WIZnet, Supplier Part Number 1=1278-W5500CT-ND, Copyright="Copyright (C) 2025 Ultra Librarian. All rights reserved.", Part Number=W5500, Supplier 1=DigiKey
U5 U8: "2.7-V TO 26-V, 2.7-M 18-A INTEGR", Manufacturer="Texas Instruments", Supplier Part Number 1=296-TPS259830ONRGERCT-ND, Copyright="Copyright (C) 2025 Ultra Librarian. All rights reserved.", Part Number=TPS259830ONRGER, Supplier 1=DigiKey
U7: "36V, 16A BUCK-BOOST CONVERTER WITH PPS CONTROL", Manufacturer="Texas Instruments", Supplier Part Number 1=296-TPS55288RPMRCT-ND, Copyright="Copyright (C) 2026 Ultra Librarian. All rights reserved.", Part Number=TPS55288RPMR, Supplier 1=DigiKey
U10 U13 U16: "2.7-V TO 16-V, 10-A, 6-M EFUSE W", Manufacturer="Texas Instruments", Supplier Part Number 1=296-TPS259814LRPWRCT-ND, Copyright="Copyright (C) 2026 Ultra Librarian. All rights reserved.", Part Number=TPS259814LRPWR, Supplier 1=DigiKey
U12 U15: "IC REG BUCK ADJ 8A 12VQFN", Manufacturer="Texas Instruments", Supplier Part Number 1=296-TPS51386RJNRCT-ND, Copyright="Copyright (C) 2026 Ultra Librarian. All rights reserved.", Part Number=TPS51386RJNR, Supplier 1=DigiKey
Y1: "CRYSTAL 12.0000MHZ 10PF SMD", Frequency=12MHz, Load Capacitance=10pF, Manufacturer="Abracon LLC", Supplier Part Number 1=535-ABM8-272-T3CT-ND, Tolerance=±30ppm, ESR=50Ohms, Part Number=ABM8-272-T3, Stability=±30ppm, Supplier 1=DigiKey
Y2: library part "TSX-3225 25.0000MF20P-C0", "CRYSTAL 25.0000MHZ 18PF SMD", ESR (Equivalent Series Resistance)="40 Ohms", Frequency Stability=±20ppm, Frequency Tolerance=±10ppm, Load Capacitance=18pF, Manufacturer=EPSON, Operating Mode=Fundamental, Operating Temperature="-20°C ~ 85°C", Package / Case="4-SMD, No Lead", Supplier Part Number 1=SER4212CT-ND, ComponentLink1Description=Datasheet, ComponentLink1URL=https://support.epson.biz/td/api/doc_check.php?dl=brief_TSX-3225&lang=en, ComponentLink2Description="DigiKey Link", ComponentLink2URL=https://www.digikey.com/en/products/detail/epson/TSX-3225-25-0000MF20P-C0/7430947, Frequency="25 MHz", Height - Seated (Max)="0.024\" (0.60mm)", LastUpdated="4/5/2026 8:41:19 PM", Lifecycle Status=Active, Minimum Order=1, Mounting Type="Surface Mount", Packaging=TapeAndReel, Part Number="TSX-3225 25.0000MF20P-C0", Part Status=Active, PartId=447, Price=0.21, Series=TSX-3225, Size / Dimension="0.126\" L x 0.098\" W (3.20mm x 2.50mm)", Supplier 1=DigiKey, Type="MHz Crystal"

## Nets (pads, with @x,y where several pads share a name; then routed paths per layer and width w, separated by ;. In a path a pad name is that pad's centre, name@x,y a point inside that pad or via, vN(x,y) a via of type N, cw(c..) or ccw(c..) an arc to the next point about the centre after c; other vN are vias at no path point)
3V3_VIO.FSPG: IC2.14 R139.2 U16.3
3V3_VIO.VEN: IC2.12 R135.1 U15.11